# Altium PCB carrier.PcbDoc (part 2 of 5) (continued)
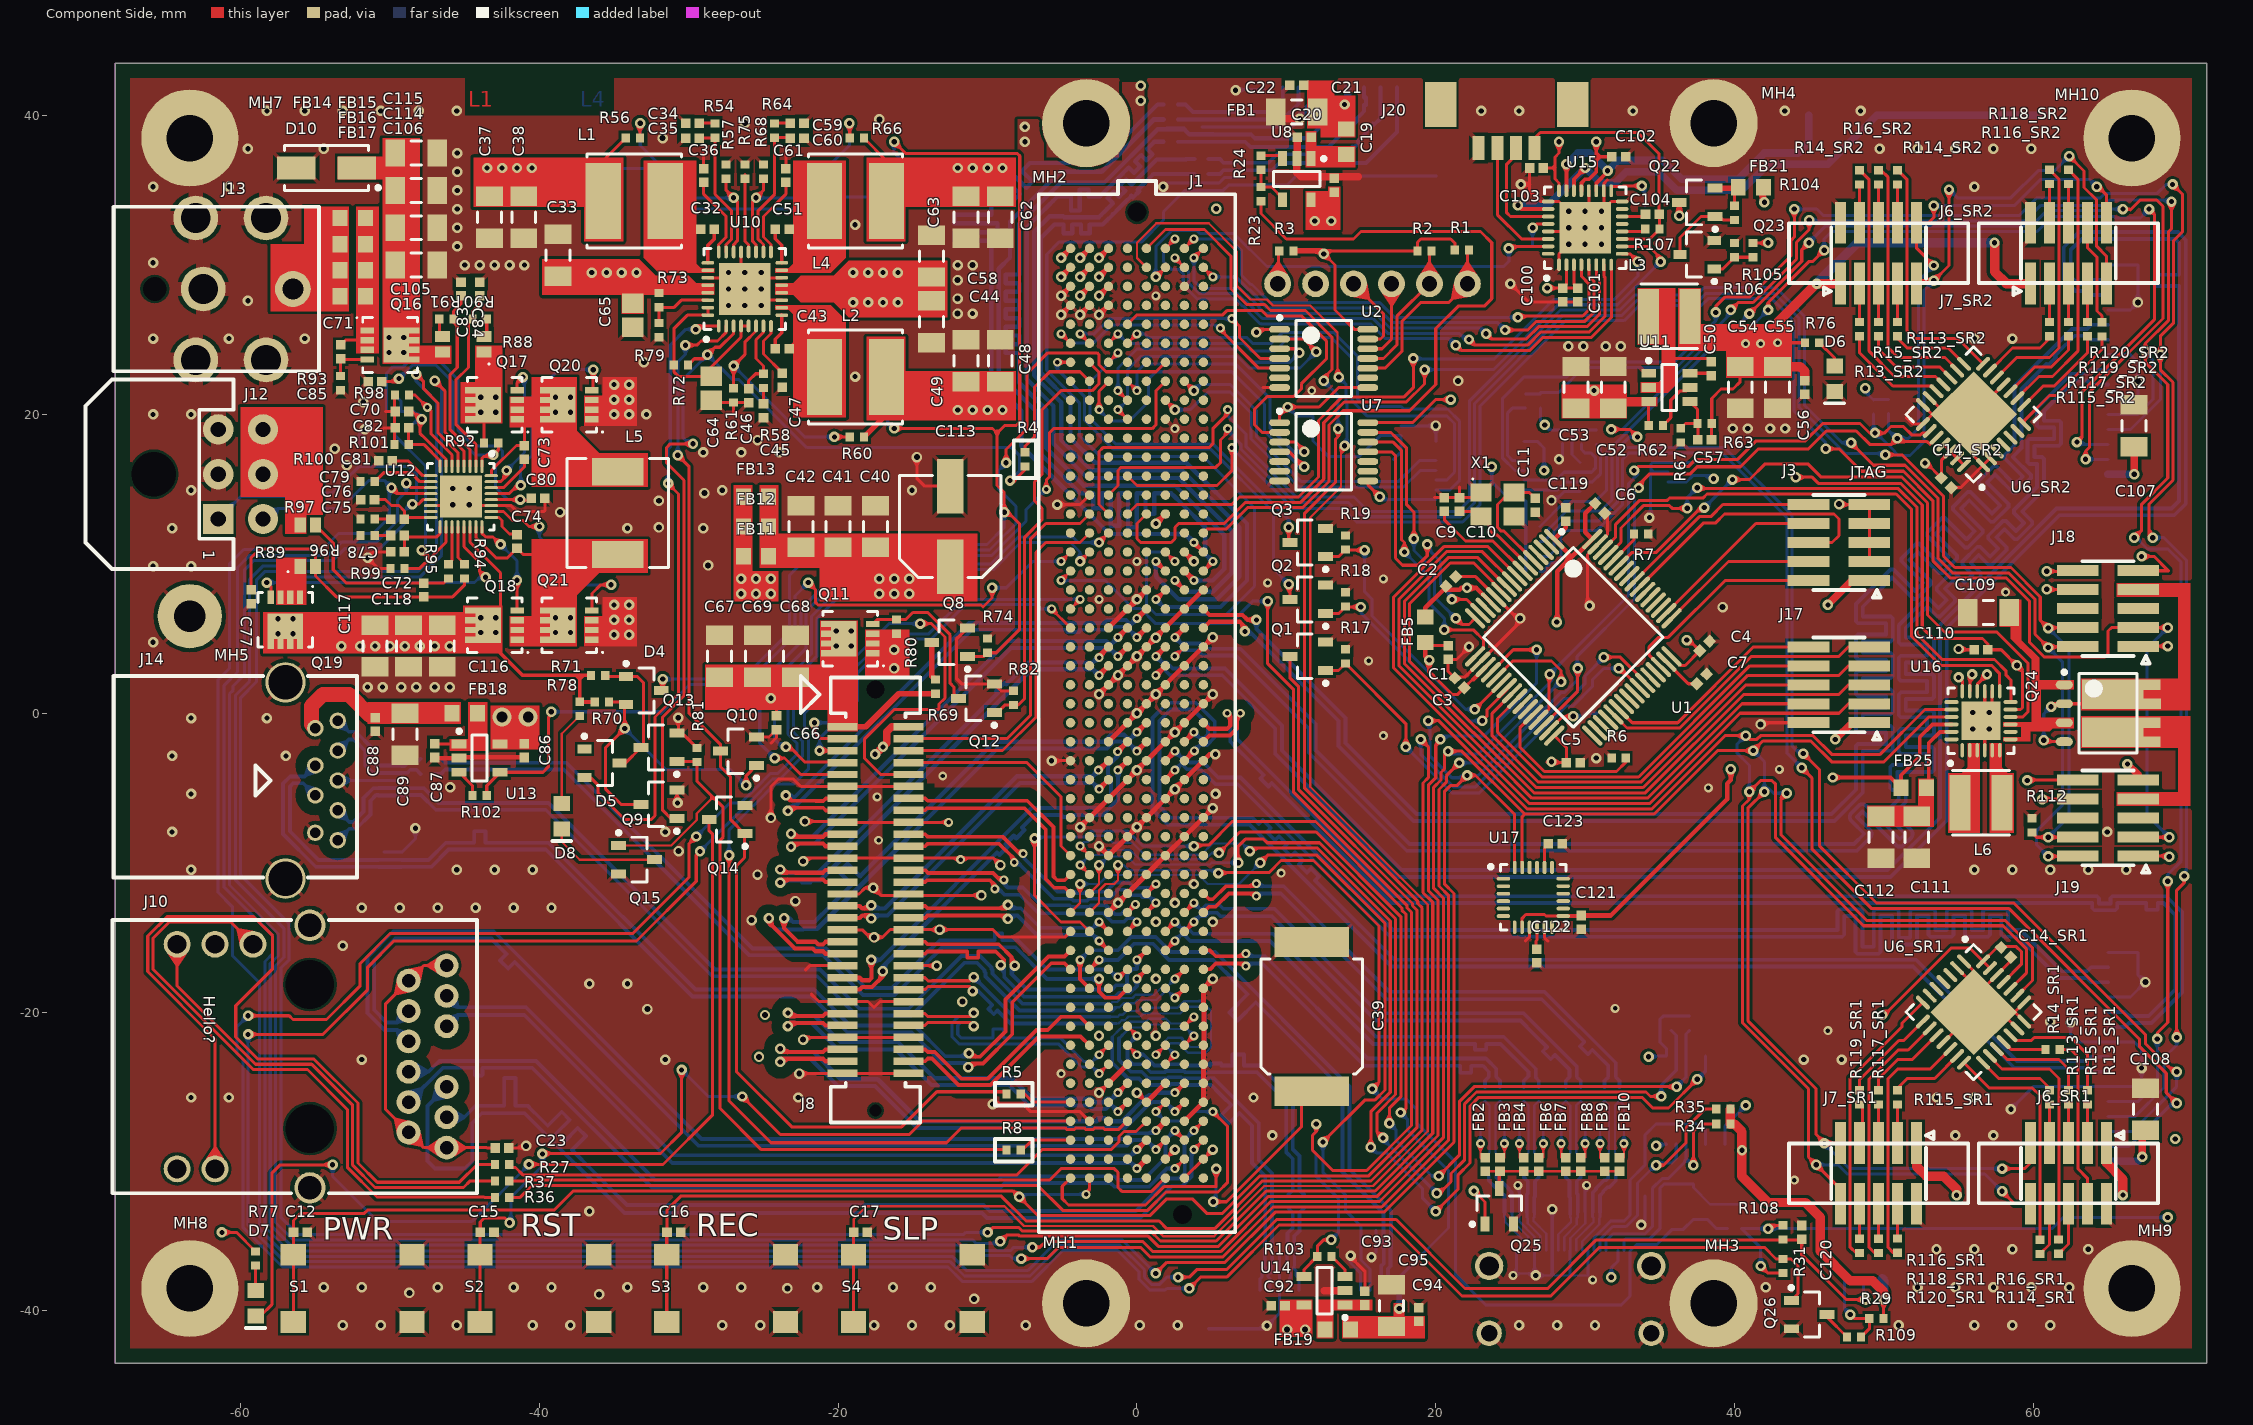
[diagram p0: Component Side view]
## Nets (pads, with @x,y where several pads share a name; then routed paths per layer and width w, separated by ;. In a path a pad name is that pad's centre, name@x,y a point inside that pad or via, vN(x,y) a via of type N, cw(c..) or ccw(c..) an arc to the next point about the centre after c; other vN are vias at no path point)
BAT_CON: J12.5 J12.6 R89.2
BAT_CONc: Q19.S R89.1
BQL: Q17.D R88.1 R92.2 | length 2.7
  Component Side w0.203: R92.2@-43.7,18.1 -43.7,20.375 Q17.D@-43.425,20.65
  other v1: -43.925,20.15 -42.925,20.15 -43.925,21.15 -42.925,21.15
BQSL: C73.2 L5.1 Q17.S Q20.D U12.32 | length 5.2
  Component Side w0.203: U12.32@-43.225,15.9 -43.2,15.925 -43.2,16.26 -41.54,17.92 C73.2@-41,17.92 -41,19.19 Q17.S@-41.485,19.675
  other v1: -38.925,20.15 -37.925,20.15 -38.925,21.15 -37.925,21.15
BQSR: C74.2 L5.2 Q18.S Q21.D U12.23 | length 11.2
  Component Side w0.203: U12.23@-44.25,12.475 -44.25,11.75 -42.9,10.4 -42.14,10.4 C74.2@-41.5,11.04 -41.09,10.63 L5.2@-34.75,10.63
  other v1: -38.925,5.4 -37.925,5.4 -38.925,6.4 -37.925,6.4
CHRG_OK: U1.43 U12.4 | length 206.3
  Component Side w0.203: v1(-47,22.25) -46.33,21.58 -46.33,18.827 -45.05,17.547 U12.4@-45.05,16.525 ; v1(-10,-34.75) -9.75,-34.75 -9.749,-34.749 -9.749,-34.514 -9.665,-34.43 -7.906,-34.43 -7.69,-34.646 0.896,-34.646 1.58,-35.33 5.305,-35.33 8.657,-31.978 15.942,-31.978 19.8,-28.119 19.8,-12.658 19.152,-12.009 19.152,-4.664 19.5,-4.315 19.5,-2.25 v1(19,-1.75) ; v1(31.25,3.75) 32.354,3.75 34.018,2.086 U1.43@34.018,2.039
  Solder Side w0.203: v1(-47,22.25) -46.54,21.79 -46.54,10.583 -48.018,9.106 -56.908,9.106 -57.303,9.5 -58.354,9.5 -58.95,8.904 -58.95,2.093 -60,1.043 -60,-10.838 -56.75,-14.088 -56.75,-16.5 -57.305,-17.055 -57.305,-33.738 -56.146,-34.896 -11.604,-34.896 -11.457,-34.75 v1(-10,-34.75) ; v1(19,-1.75) 19,-2.747 21.18,-4.927 22.673,-4.927 28.6,1 29,1 30,2 30,2.5 v1(31.25,3.75)
CPWR: J1.A48 R8.1 | length 3.6
  Component Side w0.203: R8.1@-7.775,-29.25 -7.693,-29.25 -7.018,-28.575 J1.A48@-4.445,-28.575
CRST: J1.A46 R5.1 | length 3.6
  Component Side w0.203: R5.1@-7.775,-25.5 -7.488,-25.5 -6.953,-26.035 J1.A46@-4.445,-26.035
CSI0_CLK_N: J1.G21 J5.8 | length 126.6
  Component Side w0.34: v3(2.54,5.08) J1.G21@3.175,5.715
  Solder Side w0.254: v3(2.54,5.08) 2.946,4.674 4.223,4.674 4.573,4.323 6.927,4.323 11.957,-0.707 11.957,-2.457 18.25,-8.75 48,-8.75 48.682,-8.068 47.82,-7.206 cw(c48.084,-6.942) 47.82,-6.678 48.298,-6.2 cw(c48.562,-6.464) 48.826,-6.2 51.064,-8.438 51.423,-8.079 50.311,-6.967 cw(c50.575,-6.703) 50.311,-6.439 51,-5.75 51,-5.146 50.563,-5.146 50.429,-5.012 50.429,-3.603 50.563,-3.469 52.886,-3.469 52.886,-2.707 51.134,-2.707 51,-2.573 51,-1.165 51.134,-1.031 52.886,-1.031 52.886,-0.269 51.134,-0.269 51,-0.135 51,1.274 51.134,1.408 52.886,1.408 52.886,2.17 51.134,2.17 51,2.304 51,3.712 51.134,3.846 52.886,3.846 52.886,4.608 51.134,4.608 51,4.742 51,5.897 52.805,7.701 52.994,7.701 53.664,7.031 54.202,7.57 53.533,8.24 53.533,8.429 54.529,9.425 54.718,9.425 55.388,8.756 55.927,9.294 55.257,9.964 55.257,10.154 56.253,11.15 56.442,11.15 57.112,10.48 57.651,11.019 56.981,11.688 56.981,11.878 57.977,12.874 58.167,12.874 58.836,12.204 59.375,12.743 58.705,13.413 58.705,13.602 60.25,15.147 60.25,16.691 59.747,16.691 59.614,16.825 59.614,18.234 59.747,18.367 61.397,18.367 61.397,19.129 60.384,19.129 60.25,19.263 60.25,20.418 62.561,22.729 63.602,22.729 63.873,23 J5.8@65,23
CSI0_CLK_P: J1.G22 J5.9 | length 126.6
  Component Side w0.178: v3(2.54,3.81) J1.G22@3.175,4.445
  Solder Side w0.254: v3(2.54,3.81) 2.946,4.216 4.034,4.216 4.384,3.866 6.616,3.866 11.5,-1.018 11.5,-2.647 18.061,-9.207 48.189,-9.207 49.065,-8.332 ccw(c48.801,-8.068) 49.174,-8.068 ccw(c48.801,-8.068) 49.065,-7.804 48.203,-6.942 48.562,-6.583 50.8,-8.821 ccw(c51.064,-8.557) 51.328,-8.821 51.806,-8.343 ccw(c51.542,-8.079) 51.915,-8.079 ccw(c51.542,-8.079) 51.806,-7.815 50.694,-6.703 51.457,-5.939 51.457,-4.822 51.323,-4.688 50.887,-4.688 50.887,-3.926 53.21,-3.926 53.344,-3.792 53.344,-2.384 53.21,-2.25 51.457,-2.25 51.457,-1.488 53.21,-1.488 53.344,-1.354 53.344,0.055 53.21,0.188 51.457,0.188 51.457,0.95 53.21,0.95 53.344,1.084 53.344,2.493 53.21,2.627 51.457,2.627 51.457,3.389 53.21,3.389 53.344,3.523 53.344,4.931 53.21,5.065 51.457,5.065 51.457,5.707 52.899,7.149 53.569,6.48 53.758,6.48 54.754,7.476 54.754,7.665 54.085,8.335 54.623,8.873 55.293,8.204 55.483,8.204 56.479,9.2 56.479,9.389 55.809,10.059 56.348,10.598 57.017,9.928 57.207,9.928 58.203,10.924 58.203,11.113 57.533,11.783 58.072,12.322 58.742,11.652 58.931,11.652 59.927,12.648 59.927,12.838 59.257,13.507 60.707,14.957 60.707,17.014 60.573,17.148 60.071,17.148 60.071,17.91 61.721,17.91 61.855,18.044 61.855,19.453 61.721,19.587 60.707,19.587 60.707,20.229 62.75,22.271 63.602,22.271 63.873,22 J5.9@65,22
CSI0_D0_N: J1.F22 J5.2 | length 126.6
  Component Side w0.34: v3(1.27,3.81) J1.F22@1.905,4.445
  Solder Side w0.254: v3(1.27,3.81) 1.676,3.404 1.993,3.404 2.397,3 5.897,3 9.707,-0.811 9.707,-2.5 17.707,-10.5 50.25,-10.5 53.75,-7 53.75,5.897 61.561,13.707 69.25,13.707 69.75,14.207 69.75,28.595 68.235,28.595 68.235,29.357 69.75,29.357 69.75,30.119 69.75,30.5 69.75,31.5 69.5,31.75 63.25,31.75 62.5,31 62.5,29.25 63.021,28.729 63.602,28.729 63.873,29 J5.2@65,29
CSI0_D0_P: J1.F23 J5.3 | length 126.6
  Component Side w0.34: v3(1.27,2.54) J1.F23@1.905,3.175
  Solder Side w0.254: v3(1.27,2.54) 1.676,2.946 1.804,2.946 2.207,2.543 5.707,2.543 9.25,-1 9.25,-2.689 17.518,-10.957 50.439,-10.957 54.207,-7.189 54.207,5.707 61.75,13.25 69.439,13.25 70.207,14.018 70.207,31.689 69.689,32.207 63.061,32.207 62.043,31.189 62.043,29.061 62.832,28.271 63.602,28.271 63.873,28 J5.3@65,28
CSI0_D1_N: J1.H20 J5.5 | length 126.5
  Component Side w0.254: 7.321,6.326 7.397,6.25 v1(8,6.25)
  Component Side w0.279: J1.H20@4.445,6.985 4.851,6.579 7.068,6.579 7.321,6.326
  Solder Side w0.254: v1(8,6.25) 8,5.647 13.957,-0.311 13.957,-2 18.707,-6.75 46.5,-6.75 48.125,-5.125 48.125,-2.185 48.259,-2.051 50.133,-2.051 50.133,-1.289 48.259,-1.289 48.125,-1.155 48.125,0.253 48.259,0.387 50.133,0.387 50.133,1.149 48.259,1.149 48.125,1.283 48.125,2.692 48.259,2.825 50.133,2.825 50.133,3.587 48.259,3.587 48.125,3.721 48.125,5.13 48.259,5.264 50.133,5.264 50.133,6.026 48.259,6.026 48.125,6.16 48.125,7.314 50.442,9.632 50.632,9.632 52.071,8.193 52.609,8.732 51.171,10.171 51.171,10.36 52.167,11.356 52.356,11.356 53.795,9.917 54.334,10.456 52.895,11.895 52.895,12.084 53.891,13.08 54.08,13.08 55.519,11.642 56.058,12.18 54.619,13.619 54.619,13.808 55.615,14.804 55.804,14.804 57.243,13.366 57.782,13.905 56.343,15.343 56.343,15.533 57.339,16.529 57.529,16.529 58.751,15.307 59.289,15.846 58.068,17.068 58.068,17.257 58.75,17.939 58.75,21.897 62.582,25.729 63.602,25.729 63.873,26 J5.5@65,26
CSI0_D1_P: J1.H21 J5.6 | length 126.9
  Component Side w0.254: 6.997,6.003 7.226,5.774 v1(7.226,5.476)
  Component Side w0.279: J1.H21@4.445,5.715 4.851,6.121 6.879,6.121 6.997,6.003
  Power_layer1 w0.279: v1(7.226,5.476) 7.25,5.5 v1@7.5,5.5
  Solder Side w0.254: v1(7.226,5.476) 7.524,5.476 13.5,-0.5 13.5,-2.189 18.518,-7.207 46.689,-7.207 48.582,-5.314 48.582,-2.509 50.456,-2.509 50.59,-2.375 50.59,-0.966 50.456,-0.832 48.582,-0.832 48.582,-0.07 50.456,-0.07 50.59,0.064 50.59,1.472 50.456,1.606 48.582,1.606 48.582,2.368 50.456,2.368 50.59,2.502 50.59,3.911 50.456,4.045 48.582,4.045 48.582,4.807 50.456,4.807 50.59,4.941 50.59,6.349 50.456,6.483 48.582,6.483 48.582,7.125 50.537,9.08 51.976,7.641 52.165,7.641 53.161,8.637 53.161,8.827 51.723,10.265 52.261,10.804 53.7,9.365 53.889,9.365 54.885,10.361 54.885,10.551 53.447,11.99 53.986,12.528 55.424,11.09 55.614,11.09 56.61,12.086 56.61,12.275 55.171,13.714 55.71,14.253 57.148,12.814 57.338,12.814 58.334,13.81 58.334,13.999 56.895,15.438 57.434,15.977 58.656,14.755 58.845,14.755 59.841,15.751 59.841,15.94 58.619,17.162 59.207,17.75 59.207,21.707 60.75,23.25 60.886,23.386 60.982,23.289 61.52,23.828 61.424,23.924 61.963,24.463 62.502,25.002 62.771,25.271 63.602,25.271 63.873,25 J5.6@65,25
CSI1_CLK_N: J1.G27 J4.8 | length 86.2
  Component Side w0.34: J1.G27@3.175,-1.905 v3(3.81,-1.27)
  Solder Side w0.254: v3(3.81,-1.27) 4.202,-1.662 4.5,-1.662 4.75,-1.412 4.75,-0.75 3.75,0.25 2.25,0.25 1.5,-0.5 1.5,-6.25 2.25,-7 7.732,-7 8.152,-7.42 8.421,-7.151 8.96,-7.69 8.691,-7.959 9.23,-8.498 9.498,-8.229 10.037,-8.768 9.768,-9.037 10.307,-9.575 10.576,-9.306 11.115,-9.845 10.846,-10.114 11.385,-10.653 11.654,-10.384 12.193,-10.923 11.924,-11.192 12.463,-11.731 12.732,-12 17.232,-16.5 52.147,-16.5 58.918,-23.271 63.602,-23.271 63.873,-23 J4.8@65,-23
CSI1_CLK_P: J1.G28 J4.9 | length 86.2
  Component Side w0.34: J1.G28@3.175,-3.175 v3(3.838,-2.512)
  Solder Side w0.254: v3(3.838,-2.512) 4.23,-2.12 4.689,-2.12 5.207,-1.602 5.207,-0.561 3.939,0.707 2.061,0.707 1.043,-0.311 1.043,-6.439 2.061,-7.457 7.543,-7.457 17.043,-16.957 51.957,-16.957 58.729,-23.729 63.602,-23.729 63.873,-24 J4.9@65,-24
CSI1_D0_N: J1.F28 J4.2 | length 86
  Component Side w0.34: J1.F28@1.905,-3.175 v3(2.54,-2.54)
  Solder Side w0.254: v3(2.54,-2.54) 2.946,-2.946 3.189,-2.946 3.536,-3.293 4.439,-3.293 5.439,-4.293 6.939,-4.293 17.147,-14.5 46.885,-14.5 46.885,-13.247 47.019,-13.114 48.428,-13.114 48.562,-13.247 48.562,-15.636 49.324,-15.636 49.324,-13.247 49.458,-13.114 50.866,-13.114 51,-13.247 51,-15.022 51.762,-15.022 51.762,-13.247 51.896,-13.114 53.305,-13.114 53.438,-13.247 53.438,-14.5 54.2,-14.5 54.2,-13.247 54.334,-13.114 55.743,-13.114 55.877,-13.247 55.877,-14.5 56.639,-14.5 56.639,-13.247 56.773,-13.114 58.181,-13.114 58.315,-13.247 58.315,-14.5 59.147,-14.5 61.918,-17.271 63.602,-17.271 63.873,-17 J4.2@65,-17
CSI1_D0_P: J1.F29 J4.3 | length 86
  Component Side w0.34: J1.F29@1.905,-4.445 v3(2.54,-3.81)
  Solder Side w0.254: v3(2.54,-3.81) 2.946,-3.404 3,-3.404 3.346,-3.75 4.25,-3.75 5.25,-4.75 6.75,-4.75 16.957,-14.957 47.209,-14.957 47.342,-14.823 47.342,-13.571 48.104,-13.571 48.104,-15.96 48.238,-16.094 49.647,-16.094 49.781,-15.96 49.781,-13.571 50.543,-13.571 50.543,-15.345 50.677,-15.479 52.085,-15.479 52.219,-15.345 52.219,-13.571 52.981,-13.571 52.981,-14.823 53.115,-14.957 54.524,-14.957 54.658,-14.823 54.658,-13.571 55.42,-13.571 55.42,-14.823 55.554,-14.957 56.962,-14.957 57.096,-14.823 57.096,-13.571 57.858,-13.571 57.858,-14.823 57.992,-14.957 58.957,-14.957 61.729,-17.729 63.602,-17.729 63.873,-18 J4.3@65,-18
CSI1_D1_N: J1.H26 J4.5 | length 86.1
  Component Side w0.279: J1.H26@4.445,-0.635 4.851,-1.041 6.029,-1.041 6.25,-0.821 6.25,-0.21 v3(6.04,0)
  Solder Side w0.254: v3(6.04,0) 6.25,-0.21 6.25,-1.897 6.603,-2.25 6.873,-2.519 7.412,-3.058 7.95,-3.597 8.489,-4.136 8.267,-4.358 8.806,-4.897 9.028,-4.675 11.5,-7.147 17.061,-12.707 46.851,-12.707 61,-12.707 63.943,-12.707 63.943,-13.052 64.077,-13.186 65.485,-13.186 65.619,-13.052 65.619,-12.707 67.564,-12.707 67.564,-13.151 68.326,-13.151 68.326,-12.707 68.707,-12.707 ; J4.5@65,-20 66.127,-20 66.398,-20.271 67.729,-20.271 69.5,-18.5 69.5,-13.5 68.707,-12.707 ; 69,-13 68.707,-12.707
CSI1_D1_P: J1.H27 J4.6 | length 85.7
  Component Side w0.279: J1.H27@4.445,-1.905 4.851,-1.499 6.219,-1.499 6.707,-1.01 6.707,-0.21 v3(6.918,0)
  Solder Side w0.254: v3(6.918,0) 6.707,-0.21 6.707,-1.707 17.25,-12.25 46.661,-12.25 61.457,-12.25 64.266,-12.25 64.4,-12.384 64.4,-12.729 65.162,-12.729 65.162,-12.384 65.296,-12.25 68.897,-12.25 69.957,-13.311 69.957,-18.689 67.918,-20.729 66.398,-20.729 66.127,-21 J4.6@65,-21
CSI2_CLK_N: J1.D21 J8.19 | length 32.1
  Component Side w0.279: v1(-23.158,-8.061) -22.947,-8.271 -21.011,-8.271 -20.84,-8.1 J8.19@-19.7,-8.1
  Component Side w0.34: v3(-1.27,5.08) J1.D21@-0.635,5.715
  Solder Side w0.279: v1(-23.158,-8.061) -22.947,-8.271 -21.733,-8.271 -8.636,4.826 -2.057,4.826 -1.905,4.674 -1.676,4.674 v3(-1.27,5.08)
CSI2_CLK_P: J1.D22 J8.21 | length 32.1
  Component Side w0.279: v1(-23.158,-8.939) -22.947,-8.729 -21.011,-8.729 -20.84,-8.9 J8.21@-19.7,-8.9
  Component Side w0.34: v3(-1.27,3.81) J1.D22@-0.635,4.445
  Solder Side w0.279: v1(-23.158,-8.939) -22.947,-8.729 -21.544,-8.729 -8.447,4.369 -2.247,4.369 -2.094,4.216 -1.676,4.216 v3(-1.27,3.81)
CSI2_D0_N: J1.C22 J8.25 | length 33
  Component Side w0.279: v1(-23.876,-10.458) -23.666,-10.668 -22.863,-10.668 -22.86,-10.671 -21.011,-10.671 -20.84,-10.5 J8.25@-19.7,-10.5
  Component Side w0.34: v3(-2.54,3.727) -2.54,3.81 J1.C22@-1.905,4.445
  Solder Side w0.279: v1(-23.876,-10.458) -23.666,-10.668 -23.6,-10.668 -23.596,-10.671 -21.339,-10.671 -9.418,1.25 -9.31,1.358 -9.429,1.478 -8.873,2.034 -8.753,1.915 -8.196,2.472 -7.918,2.75 -7.264,3.404 -2.946,3.404 -2.623,3.727 v3(-2.54,3.727)
CSI2_D0_P: J1.C23 J8.27 | length 32.9
  Component Side w0.279: v1(-23.876,-11.336) -23.666,-11.125 -23.053,-11.125 -23.049,-11.129 -21.011,-11.129 -20.84,-11.3 J8.27@-19.7,-11.3
  Component Side w0.34: v3(-2.54,2.54) J1.C23@-1.905,3.175
  Solder Side w0.279: v1(-23.876,-11.336) -23.716,-11.176 -23.25,-11.176 -22.971,-11.176 -22.412,-11.176 -22.412,-11.316 -21.853,-11.316 -21.853,-11.176 -21.197,-11.176 -7.075,2.946 -2.946,2.946 v3(-2.54,2.54)
CSI2_D1_N: J1.E20 J8.13 | length 33.7
  Component Side w0.254: v1(-23.5,-5.5) -23.141,-5.859 -21.513,-5.859 -21.5,-5.871 -20.998,-5.871 -20.827,-5.7 J8.13@-19.7,-5.7
  Component Side w0.34: v3(0,6.35) J1.E20@0.635,6.985
  Solder Side w0.254: v1(-23.5,-5.5) -23.109,-5.5 -22.947,-5.661 -11.241,6.045 -2.205,6.045 -2,6.25 -0.733,6.25 -0.426,5.944 -0.406,5.944 v3(0,6.35)
CSI2_D1_P: J1.E21 J8.15 | length 33.8
  Component Side w0.254: v1(-23.368,-6.539) -23.158,-6.329 -20.998,-6.329 -20.827,-6.5 J8.15@-19.7,-6.5
  Component Side w0.34: v3(0,5.08) J1.E21@0.635,5.715
  Solder Side w0.254: v1(-23.368,-6.539) -22.947,-6.118 -22.758,-6.118 -11.052,5.588 -4.75,5.588 -4.643,5.588 -4.643,5.44 -3.881,5.44 -3.881,5.588 -3.5,5.588 -2.015,5.588 -1.811,5.793 -0.922,5.793 -0.616,5.486 -0.406,5.486 v3(0,5.08)
CSI3_CLK_N: J1.D27 J8.43 | length 28.2
  Component Side w0.279: J8.43@-19.7,-17.7 -18.56,-17.7 -18.389,-17.871 -17.926,-17.871 -17.78,-17.726 v1(-17.78,-16.51)
  Component Side w0.34: v3(-1.298,-2.568) J1.D27@-0.635,-1.905
  Solder Side w0.279: v1(-17.78,-16.51) -17.207,-16.51 -7.047,-6.35 -2.489,-6.35 -1.727,-5.588 -1.727,-4.297 -1.938,-4.086 -1.938,-3.534 -1.27,-2.866 -1.298,-2.838 v3(-1.298,-2.568)
CSI3_CLK_P: J1.D28 J8.45 | length 28.2
  Component Side w0.279: J8.45@-19.7,-18.5 -18.56,-18.5 -18.389,-18.329 -17.736,-18.329 -17.018,-17.61 v1(-17.018,-17.272)
  Component Side w0.34: v3(-1.27,-3.81) J1.D28@-0.635,-3.175
  Solder Side w0.279: v1(-17.018,-17.272) -17.018,-16.967 -9.9,-9.85 -9.363,-9.313 -9.201,-9.475 -8.645,-8.918 -8.807,-8.756 -8.25,-8.199 -8.078,-8.371 -7.521,-7.814 -7.693,-7.642 -7.136,-7.086 -6.858,-6.807 -6.631,-6.807 -5.843,-6.807 -5.056,-6.807 -5.056,-6.947 -4.268,-6.947 -4.268,-6.807 -3.481,-6.807 -2.694,-6.807 -2.3,-6.807 -1.27,-5.777 v3(-1.27,-3.81)
CSI3_D0_N: J1.C28 J8.31 | length 22.2
  Component Side w0.279: J8.31@-19.7,-12.9 -18.56,-12.9 -18.389,-13.071 -17.99,-13.071 v1(-17.78,-12.861)
  Component Side w0.34: v3(-2.58,-3.81) -2.54,-3.81 J1.C28@-1.905,-3.175
  Solder Side w0.279: v1(-17.78,-12.861) -17.57,-13.071 -16.881,-13.071 -8.026,-4.216 -2.946,-4.216 -2.58,-3.85 v3(-2.58,-3.81)
CSI3_D0_P: J1.C29 J8.33 | length 22.1
  Component Side w0.279: J8.33@-19.7,-13.7 -18.56,-13.7 -18.389,-13.529 -17.99,-13.529 v1(-17.78,-13.739)
  Component Side w0.34: v3(-2.54,-5.08) J1.C29@-1.905,-4.445
  Solder Side w0.279: v1(-17.78,-13.739) -17.57,-13.529 -16.692,-13.529 -7.837,-4.674 -2.946,-4.674 v3(-2.54,-5.08)
CSI3_D1_N: J1.E26 J8.37 | length 37.6
  Component Side w0.279: v1(-23.622,-13.716) -23.622,-14.383 -22.714,-15.291 -21.517,-15.291 -21.336,-15.471 -21.011,-15.471 -20.84,-15.3 J8.37@-19.7,-15.3
  Component Side w0.34: v3(0,-1.27) J1.E26@0.635,-0.635
  Solder Side w0.279: v1(-23.622,-13.716) -23.274,-13.716 -23.02,-13.97 -21.59,-13.97 -21.312,-13.692 -20.755,-13.135 -20.198,-12.578 -19.641,-12.021 -19.085,-11.465 -19.937,-10.612 -19.38,-10.055 -18.528,-10.908 -16.185,-8.565 -9.525,-1.905 -5.988,-1.905 -5.981,-1.912 -5.449,-1.912 -5.442,-1.905 -2.19,-1.905 -1.725,-1.441 -0.871,-1.441 -0.635,-1.676 -0.406,-1.676 v3(0,-1.27)
CSI3_D1_P: J1.E27 J8.39 | length 37.6
  Component Side w0.279: v1(-24.638,-13.716) -24.638,-14.014 -22.904,-15.748 -21.706,-15.748 -21.525,-15.929 -21.011,-15.929 -20.84,-16.1 J8.39@-19.7,-16.1
  Component Side w0.34: v3(0,-2.54) J1.E27@0.635,-1.905
  Solder Side w0.279: v1(-24.638,-13.716) -24.638,-14.014 -24.174,-14.478 -22.352,-14.478 -22.301,-14.427 -21.401,-14.427 -9.336,-2.362 -6.177,-2.362 -6.17,-2.369 -5.26,-2.369 -5.253,-2.362 -2,-2.362 -1.536,-1.898 -1.06,-1.898 -0.824,-2.134 -0.406,-2.134 v3(0,-2.54)
CVBD: J1.B8 R4.1 | length 9
  Component Side w0.203: R4.1@-7.493,17.493 -7.493,17.874 -6.858,18.509 -6.858,21.844 -5.842,22.86 -3.81,22.86 J1.B8@-3.175,22.225
DC_IN: FB14.1 FB15.1 FB16.1 FB17.1 J13.1
DC_INfb: C71.2 FB14.2 FB15.2 FB16.2 FB17.2 Q16.S | length 1.9
  Component Side w0.203: C71.2@-53.3,24.66 -52.985,24.975 Q16.S@-51.515,24.975
DC_INrp: C105.2 C106.2 C114.2 C115.2 D10.C Q16.D R88.2
  other v1: -50.075,24.15 -49.075,24.15 -50.075,25.15 -49.075,25.15
DISCHARGE: D4.C Q5.G Q6.G Q7.G Q8.G R74.2 | length 111.1
  Component Side w0.203: D4.C@-31.75,1.524 v1(-31.75,2.286) ; v1(-16.25,19.064) -9.677,19.064 -9.363,18.75 ; v1(-16.25,38.25) -15.454,37.454 -7.995,37.454 -7.853,37.312 -7.846,37.312 -7.846,33.795 -7.874,33.767 -7.874,23.033 -7.846,23.005 -7.846,19.495 -8.091,19.25 -8.863,19.25 -9.363,18.75 ; Q8.G@-11.336,3.8 -10.25,3.8 R74.2@-10,4.05 -9.412,4.05 -7.874,5.588 -7.874,12.7 -8.636,13.462 v1(-8.89,13.462) -8.89,14.776 -9.363,15.249 -9.363,16.51 -9.367,16.514 -9.367,17.014 -9.363,17.018 -9.363,18.75
  Solder Side w0.203: Q5.G@-35.8,36.45 -32.45,36.45 -29.75,33.75 -22.75,33.75 -21.95,34.55 Q7.G@-16.7,34.55 -16.45,34.55 -15.75,35.25 -15.75,37 -16.25,37.5 v1(-16.25,38.25) ; v1(-31.75,2.286) -26.416,2.286 -23.25,5.452 -23.25,9.25 -21.197,11.303 -10.033,11.303 -8.89,12.446 v1(-8.89,13.462) ; Q6.G@-16.7,20.3 -16.7,19.514 v1(-16.25,19.064)
DP0_D0_C_N: C30.1 R44.1 R47.2 | length 5.1
  Solder Side w0.152: R44.1@24.3,-29.725 23.997,-29.422 23.997,-26.263 C30.1@24.3,-25.96 24.6,-26.26 R47.2@24.6,-26.925
DP0_D0_C_P: C31.1 R45.1 R46.2 | length 5.1
  Solder Side w0.152: R46.2@23,-26.925 23,-26.26 C31.1@23.3,-25.96 23.603,-26.263 23.603,-29.422 R45.1@23.3,-29.725
DP0_D0_J_N: D3.4 J11.3 R44.2 | length 6.4
  Solder Side w0.152: D3.4@25.1,-33.385 25.1,-33.736 25.047,-33.789 25.047,-33.9 26.197,-35.05 26.197,-35.371 26.2,-35.374 J11.3@26.2,-35.95
  Solder Side w0.246: R44.2@24.3,-30.675 24.044,-30.931 24.044,-31.1 24.194,-31.25 24.323,-31.25 24.874,-31.802 24.874,-31.859 25.088,-32.072 25.088,-32.204 25.1,-32.217 D3.4@25.1,-32.615 D3.4@25.1,-33.385
DP0_D0_J_P: D3.5 J11.2 R45.2 | length 6.4
  Solder Side w0.152: D3.5@24.6,-33.385 24.6,-33.736 24.653,-33.789 24.653,-34.063 25.803,-35.213 25.803,-35.371 25.8,-35.374 J11.2@25.8,-35.95
  Solder Side w0.246: R45.2@23.3,-30.675 23.556,-30.931 23.556,-31.302 23.992,-31.738 24.121,-31.738 24.387,-32.004 24.387,-32.061 24.6,-32.274 D3.5@24.6,-32.615 D3.5@24.6,-33.385
DP0_D0_N: C30.2 J1.H38 | length 24.4
  Component Side w0.246: J1.H38@4.445,-15.875 4.886,-15.875 5.277,-16.266 7.121,-16.266 v6(7.298,-16.089)
  Solder Side w0.246: v6(7.298,-16.089) 7.475,-16.266 8.584,-16.266 15.43,-23.112 23.358,-23.112 24.044,-23.798 24.044,-24.341 24.3,-24.597 C30.2@24.3,-25.04
DP0_D0_P: C31.2 J1.H39 | length 24.5
  Component Side w0.246: J1.H39@4.445,-17.145 4.886,-17.145 5.277,-16.754 7.121,-16.754 v6(7.298,-16.931)
  Solder Side w0.246: v6(7.298,-16.931) 7.475,-16.754 8.382,-16.754 15.228,-23.6 20.5,-23.6 20.877,-23.6 21.632,-23.6 21.632,-24.057 22.386,-24.057 22.386,-23.6 23.156,-23.6 23.556,-24 23.556,-24.341 23.3,-24.597 C31.2@23.3,-25.04
DP0_D1_C_N: C28.1 R42.1 R49.2 | length 5.1
  Solder Side w0.152: R42.1@26.9,-29.725 26.597,-29.422 26.597,-26.263 C28.1@26.9,-25.96 27.2,-26.26 R49.2@27.2,-26.925
DP0_D1_C_P: C29.1 R43.1 R48.2 | length 5.1
  Solder Side w0.152: R48.2@25.6,-26.925 25.6,-26.26 C29.1@25.9,-25.96 26.203,-26.263 26.203,-29.422 R43.1@25.9,-29.725
DP0_D1_J_N: D3.1 J11.6 R42.2 | length 5.8
  Solder Side w0.152: D3.1@26.6,-33.385 26.6,-33.736 26.547,-33.789 26.547,-33.981 27.4,-34.834 J11.6@27.4,-35.95
  Solder Side w0.246: D3.1@26.6,-33.385 D3.1@26.6,-32.615 26.6,-32.406 26.644,-32.363 26.644,-31.329 26.9,-31.073 R42.2@26.9,-30.675
DP0_D1_J_P: D3.2 J11.5 R43.2 | length 5.8
  Solder Side w0.152: D3.2@26.1,-33.385 26.1,-33.736 26.153,-33.789 26.153,-34.144 27.003,-34.994 27.003,-35.371 27,-35.374 J11.5@27,-35.95
  Solder Side w0.246: R43.2@25.9,-30.675 25.9,-31.073 26.156,-31.329 26.156,-32.161 26.1,-32.217 D3.2@26.1,-32.615 D3.2@26.1,-33.385
DP0_D1_N: C28.2 J1.F37 | length 30.4
  Component Side w0.246: J1.F37@1.905,-14.605 v3(2.54,-13.97)
  Solder Side w0.246: v3(2.54,-13.97) 2.931,-14.361 3.377,-14.361 3.768,-14.752 9.102,-14.752 16.002,-21.652 24.545,-21.652 26.691,-23.798 26.691,-24.388 26.9,-24.597 C28.2@26.9,-25.04
DP0_D1_P: C29.2 J1.F38 | length 30.4
  Component Side w0.246: J1.F38@1.905,-15.875 v3(2.54,-15.24)
  Solder Side w0.246: v3(2.54,-15.24) 2.931,-14.849 3.175,-14.849 3.566,-15.24 8.9,-15.24 15.8,-22.14 22.632,-22.14 22.632,-22.524 23.386,-22.524 23.386,-22.14 24.343,-22.14 26.203,-24 26.203,-24.294 25.9,-24.597 C29.2@25.9,-25.04
DP0_D2_C_N: C26.1 R40.1 R51.2 | length 5.1
  Solder Side w0.152: R40.1@29.7,-29.725 29.397,-29.422 29.397,-26.263 C26.1@29.7,-25.96 30,-26.26 R51.2@30,-26.925
DP0_D2_C_P: C27.1 R41.1 R50.2 | length 5.1
  Solder Side w0.152: R50.2@28.4,-26.925 28.4,-26.26 C27.1@28.7,-25.96 29.003,-26.263 29.003,-29.422 R41.1@28.7,-29.725
DP0_D2_J_N: D2.2 J11.9 R40.2 | length 5.8
  Solder Side w0.152: J11.9@28.6,-35.95 28.6,-35.374 28.597,-35.371 28.597,-35.06 29.447,-34.21 29.447,-33.789 29.5,-33.736 D2.2@29.5,-33.385
  Solder Side w0.246: D2.2@29.5,-33.385 D2.2@29.5,-32.615 29.5,-32.217 29.444,-32.161 29.444,-31.329 29.7,-31.073 R40.2@29.7,-30.675
DP0_D2_J_P: D2.1 J11.8 R41.2 | length 5.8
  Solder Side w0.152: J11.8@28.2,-35.95 28.2,-35.374 28.203,-35.371 28.203,-34.897 29.053,-34.047 29.053,-33.789 29,-33.736 D2.1@29,-33.385
  Solder Side w0.246: R41.2@28.7,-30.675 28.7,-31.073 28.956,-31.329 28.956,-32.363 29,-32.406 D2.1@29,-32.615 D2.1@29,-33.385
DP0_D2_N: C26.2 J1.G36 | length 32.8
  Component Side w0.246: J1.G36@3.175,-13.335 v3(3.81,-12.7)
  Solder Side w0.246: v3(3.81,-12.7) 4.201,-13.091 4.384,-13.091 4.619,-12.857 5.541,-12.857 5.776,-13.091 9.209,-13.091 16.2,-20.082 25.875,-20.082 29.444,-23.651 29.444,-24.341 29.7,-24.597 C26.2@29.7,-25.04
DP0_D2_P: C27.2 J1.G37 | length 32.8
  Component Side w0.246: J1.G37@3.175,-14.605 v3(3.81,-13.97)
  Solder Side w0.246: v3(3.81,-13.97) 4.201,-13.579 4.586,-13.579 4.821,-13.344 5.339,-13.344 5.574,-13.579 9.007,-13.579 15.998,-20.57 25.673,-20.57 26.552,-21.448 27.45,-22.347 27.164,-22.632 27.698,-23.166 27.983,-22.88 28.25,-23.147 28.956,-23.853 28.956,-24.341 28.7,-24.597 C27.2@28.7,-25.04
DP0_D3_C_N: C24.1 R38.1 R53.2 | length 5.1
  Solder Side w0.152: R38.1@32.3,-29.725 31.997,-29.422 31.997,-26.263 C24.1@32.3,-25.96 32.6,-26.26 R53.2@32.6,-26.925
DP0_D3_C_P: C25.1 R39.1 R52.2 | length 5.1
  Solder Side w0.152: R52.2@31,-26.925 31,-26.26 C25.1@31.3,-25.96 31.603,-26.263 31.603,-29.422 R39.1@31.3,-29.725
DP0_D3_J_N: D2.5 J11.12 R38.2 | length 6.4
  Solder Side w0.152: J11.12@29.8,-35.95 29.8,-35.374 29.797,-35.371 30.947,-34.221 30.947,-33.789 31,-33.736 D2.5@31,-33.385
  Solder Side w0.246: D2.5@31,-33.385 D2.5@31,-32.615 31,-32.274 31.213,-32.061 31.213,-32.004 31.479,-31.738 31.608,-31.738 32.044,-31.302 32.044,-30.931 R38.2@32.3,-30.675
DP0_D3_J_P: D2.4 J11.11 R39.2 | length 6.4
  Solder Side w0.152: J11.11@29.4,-35.95 29.4,-35.374 29.403,-35.371 29.403,-35.208 30.553,-34.058 30.553,-33.789 30.5,-33.736 D2.4@30.5,-33.385
  Solder Side w0.246: D2.4@30.5,-33.385 D2.4@30.5,-32.615 30.5,-32.217 30.512,-32.204 30.512,-32.072 30.726,-31.859 30.726,-31.802 31.277,-31.25 31.406,-31.25 31.556,-31.1 31.556,-30.931 R39.2@31.3,-30.675
DP0_D3_N: C24.2 J1.H35 | length 34.9
  Component Side w0.246: J1.H35@4.445,-12.065 4.836,-12.456 5.08,-12.456 5.959,-11.577 7.823,-11.577 v6(8,-11.401)
  Solder Side w0.246: v6(8,-11.401) 8.177,-11.577 9.828,-11.577 16.902,-18.652 27.298,-18.652 32.044,-23.398 32.044,-24.341 32.3,-24.597 C24.2@32.3,-25.04
DP0_D3_P: C25.2 J1.H36 | length 34.9
  Component Side w0.246: J1.H36@4.445,-13.335 4.836,-12.944 5.282,-12.944 6.161,-12.065 7.823,-12.065 v6(8,-12.242)
  Solder Side w0.246: v6(8,-12.242) 8.177,-12.065 9.626,-12.065 16.7,-19.139 27.096,-19.139 29.95,-21.994 29.657,-22.286 30.191,-22.82 30.483,-22.527 30.75,-22.794 31.556,-23.6 31.556,-24.341 31.3,-24.597 C25.2@31.3,-25.04
DPM2_AUX_N: J1.A34 J8.14 | length 15.2
  Component Side w0.246: J8.14@-15.3,-5.7 -14.177,-5.7 -14.014,-5.862 -7.346,-5.862 -5.588,-7.62 -5.588,-10.932 -5.334,-11.186 -4.836,-11.186 J1.A34@-4.445,-10.795
DPM2_AUX_P: J1.A35 J8.16 | length 15.2
  Component Side w0.246: J8.16@-15.3,-6.5 -14.177,-6.5 -14.027,-6.35 -7.548,-6.35 -6.096,-7.802 -6.096,-11.114 -5.536,-11.674 -4.836,-11.674 J1.A35@-4.445,-12.065
DPM2_D0_N: J1.E35 J8.20 | length 19.8
  Component Side w0.246: J8.20@-15.3,-8.1 -14.177,-8.1 -14.021,-8.256 -8.994,-8.256 -7.859,-9.391 v6(-7.619,-9.391) ; J1.E35@0.635,-12.065 v3(1.27,-11.43)
  Solder Side w0.246: v6(-7.619,-9.391) -7.55,-9.461 -7.55,-9.722 -5.334,-11.938 -4.187,-11.938 -4.069,-12.056 -3.551,-12.056 -3.433,-11.938 -2.082,-11.938 -1.477,-11.333 -0.555,-11.333 -0.201,-11.687 1.013,-11.687 v3(1.27,-11.43)
DPM2_D0_P: J1.E36 J8.22 | length 19.9
  Component Side w0.246: J8.22@-15.3,-8.9 -14.177,-8.9 -14.021,-8.744 -9.218,-8.744 -8.214,-9.747 v6(-8.214,-9.986) ; J1.E36@0.635,-13.335 v3(1.27,-12.7)
  Solder Side w0.246: v6(-8.214,-9.986) -7.975,-9.986 -6.182,-11.779 -5.536,-12.426 -4.389,-12.426 -4.271,-12.543 -3.349,-12.543 -3.231,-12.426 -1.88,-12.426 -1.275,-11.82 -0.757,-11.82 -0.403,-12.174 0.218,-12.174 0.352,-12.309 0.879,-12.309 v3(1.27,-12.7)
DPM2_D1_N: J1.D36 J8.26 | length 17.7
  Component Side w0.246: J8.26@-15.3,-10.5 -14.177,-10.5 -13.988,-10.688 -9.632,-10.688 -9.16,-11.16 v6(-8.91,-11.16) ; J1.D36@-0.635,-13.335 v3(-0.1,-12.8)
  Solder Side w0.246: v6(-8.91,-11.16) -8.91,-11.41 -8.66,-11.66 -7.644,-11.66 -6.447,-12.857 -4.522,-12.857 -4.436,-12.942 -3.184,-12.942 -3.098,-12.857 -2.129,-12.857 -2.083,-12.903 -2.033,-12.903 -1.474,-13.462 -1.075,-13.462 -0.821,-13.208 -0.508,-13.208 v3(-0.1,-12.8)
DPM2_D1_P: J1.D37 J8.28 | length 17.8
  Component Side w0.246: J8.28@-15.3,-11.3 -14.177,-11.3 -14.053,-11.176 -9.834,-11.176 -9.505,-11.505 v6(-9.505,-11.755) ; J1.D37@-0.635,-14.605 v3(0,-13.97)
  Solder Side w0.246: v6(-9.505,-11.755) -9.255,-11.755 -8.862,-12.148 -7.846,-12.148 -6.649,-13.344 -6.468,-13.344 -6.422,-13.39 -4.678,-13.39 -4.638,-13.43 -2.982,-13.43 -2.942,-13.39 -2.235,-13.39 -1.676,-13.95 -0.873,-13.95 -0.64,-13.716 -0.254,-13.716 v3(0,-13.97)
DPM2_D2_N: J1.C37 J8.32 | length 14.6
  Component Side w0.246: J8.32@-15.3,-12.9 -14.177,-12.9 -14.021,-13.056 -8.863,-13.056 v1(-8.636,-12.829) ; v3(-2.54,-13.97) J1.C37@-1.905,-14.605
  Solder Side w0.246: v1(-8.636,-12.829) -8.409,-13.056 -7.772,-13.056 -6.467,-14.361 -2.931,-14.361 v3(-2.54,-13.97)
DPM2_D2_P: J1.C38 J8.34 | length 14.6
  Component Side w0.246: J8.34@-15.3,-13.7 -14.177,-13.7 -14.021,-13.544 -8.863,-13.544 v1(-8.636,-13.771) ; v3(-2.54,-15.24) J1.C38@-1.905,-15.875
  Solder Side w0.246: v1(-8.636,-13.771) -8.409,-13.544 -8.001,-13.544 -6.696,-14.849 -2.931,-14.849 v3(-2.54,-15.24)
DPM2_D3_N: J1.E38 J8.38 | length 20
  Component Side w0.246: J8.38@-15.3,-15.3 -14.177,-15.3 -14.021,-15.456 -9.254,-15.456 -8.402,-16.308 -8.402,-16.664 v1(-8.176,-16.891) ; v3(0,-16.51) J1.E38@0.635,-15.875
  Solder Side w0.246: v1(-8.176,-16.891) -8.402,-17.118 -8.402,-17.451 -7.366,-18.487 -1.67,-18.487 -1.398,-18.215 -0.653,-18.215 -0.614,-18.177 -0.614,-18.105 -0.664,-18.055 -0.664,-17.505 -0.275,-17.116 -0.025,-17.116 0,-17.09 v3(0,-16.51)
DPM2_D3_P: J1.E39 J8.40 | length 20
  Component Side w0.246: J8.40@-15.3,-16.1 -14.177,-16.1 -14.021,-15.944 -12.5,-15.944 -12.123,-15.944 -11.368,-15.944 -11.368,-16.359 -10.614,-16.359 -10.614,-15.944 -9.456,-15.944 -8.89,-16.51 -8.89,-16.637 -9.109,-16.856 v1(-9.117,-16.856) ; v3(0,-17.78) J1.E39@0.635,-17.145
  Solder Side w0.246: v1(-9.117,-16.856) -8.89,-17.083 -8.89,-17.653 -7.568,-18.975 -1.468,-18.975 -1.196,-18.703 -0.451,-18.703 0,-18.252 v3(0,-17.78)